# KiCad board SparkFun_GNSS_LG290P_panelized.kicad_pcb (continued)
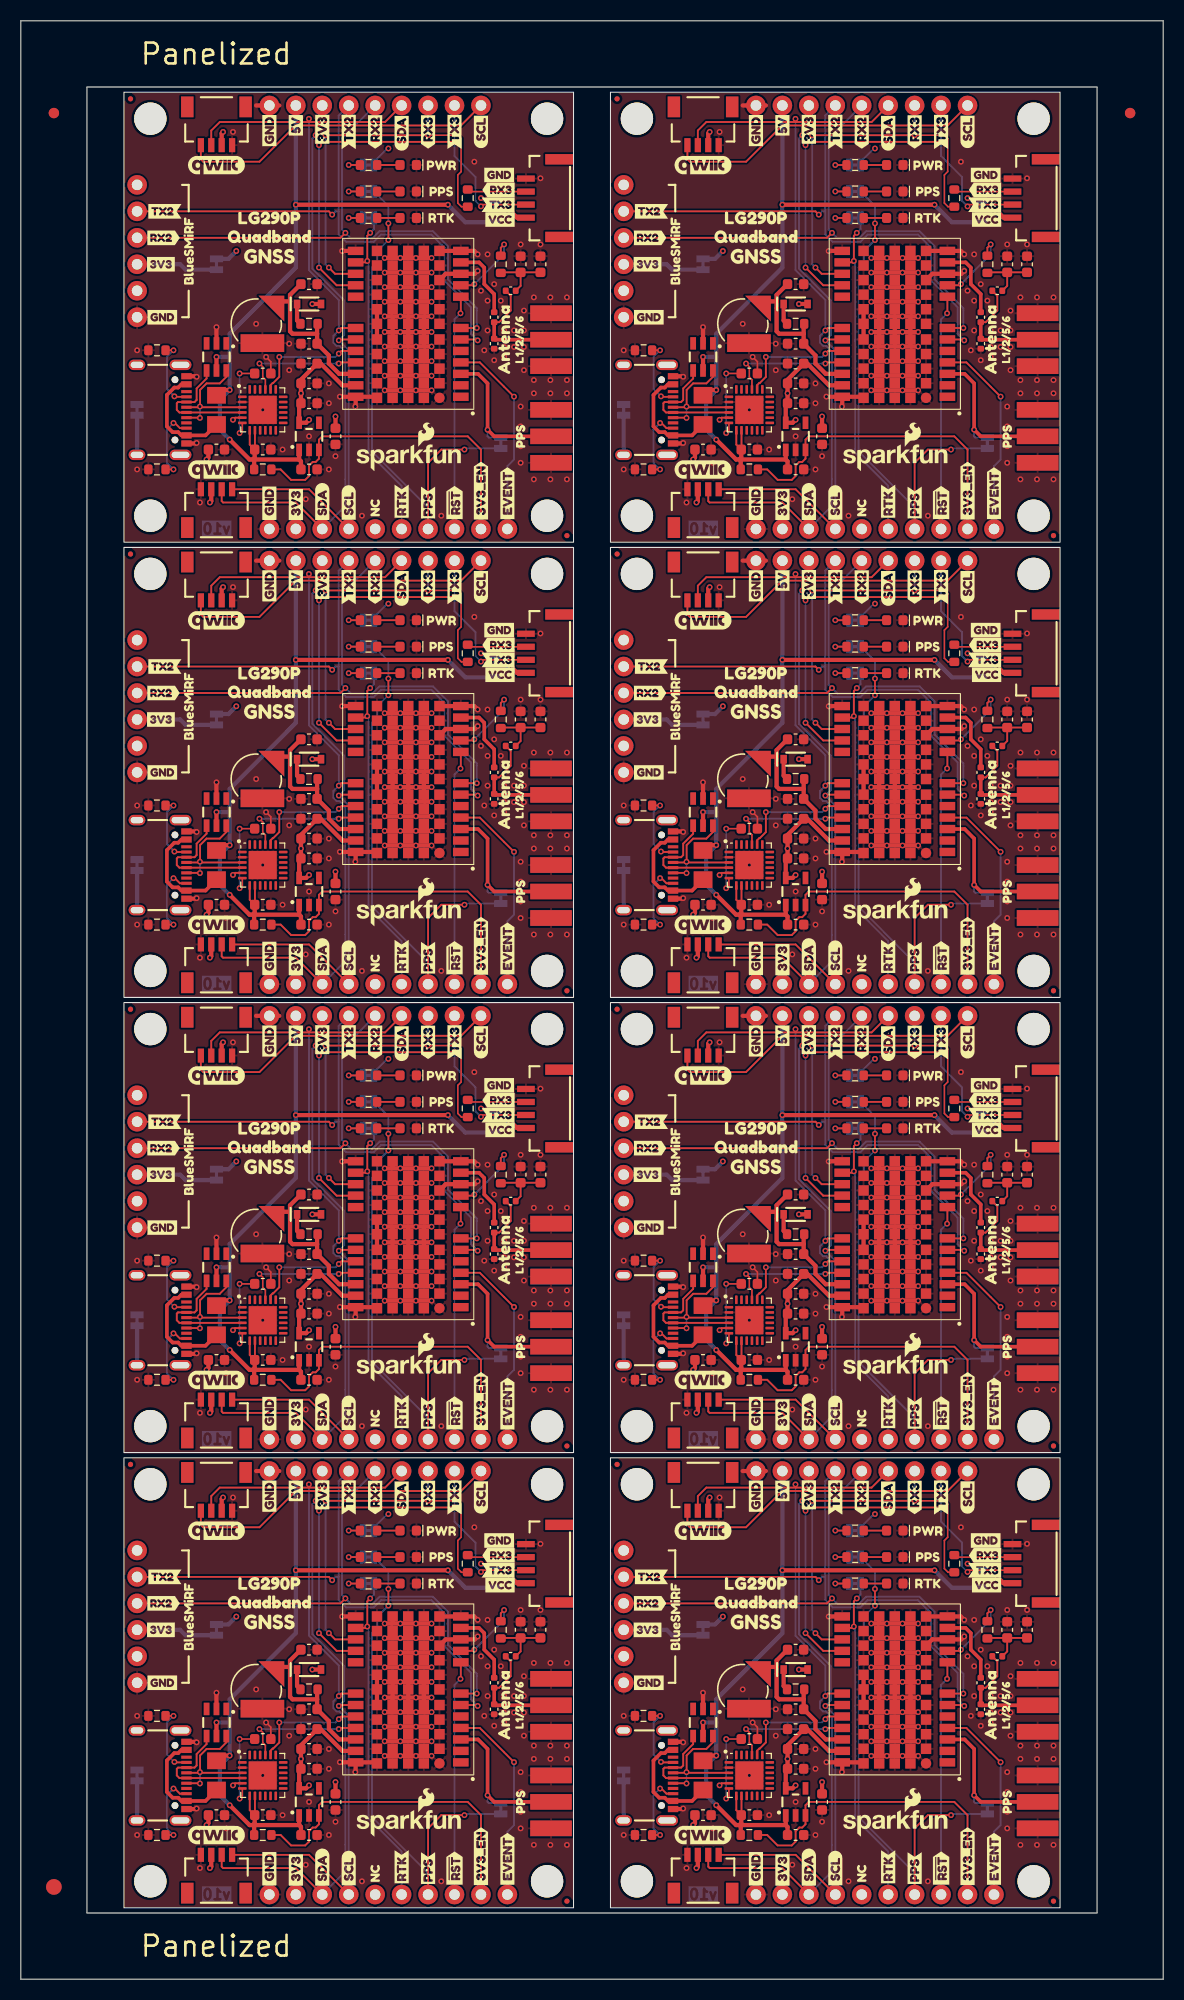
[diagram p0: board, top side]
## Routing (per net, layer and track width the routed paths; a pad name or vN(x,y) marks a point on that pad's centre or on a via; arc(x,y) is an arc through that point) (continued)
VCC_RF: length 60.4
  Top w0.178: R6#8.1 46.09,35.11 v1(46.41,35.42) ; R6.1 92.82,35.11 v1(93.14,35.42) ; v1(43.55,162.66) 43.44,162.55 U3#3.9 ; U3#7.9 90.17,75.19 v1(90.28,75.3) ; R6#2.1 92.82,166.15 v1(93.14,166.47) ; v1(93.14,79.11) 92.82,78.79 R6#6.1 ; R6#7.1 92.82,122.47 v1(93.14,122.78) ; R6#3.1 46.09,78.79 v1(46.41,79.11) ; U3#8.9 43.44,31.51 v1(43.55,31.62) ; U3#6.9 43.44,118.87 v1(43.55,118.98) ; U3#5.9 90.17,31.51 v1(90.28,31.62) ; U3#2.9 90.17,162.55 v1(90.28,162.66) ; R6#4.1 46.09,166.15 v1(46.41,166.47) ; v1(43.55,75.3) 43.44,75.19 U3.9 ; R6#5.1 46.09,122.47 v1(46.41,122.78) ; v1(90.28,118.98) 90.17,118.87 U3#4.9
  Bottom w0.178: v1(46.41,166.47) 46.41,165.51 v1(43.55,162.66) ; v1(43.55,75.3) 46.41,78.15 v1(46.41,79.11) ; v1(93.14,166.47) 93.14,165.51 v1(90.28,162.66) ; v1(90.28,31.62) 93.14,34.47 v1(93.14,35.42) ; v1(46.41,35.42) 46.41,34.47 v1(43.55,31.62) ; v1(93.14,79.11) 93.14,78.15 v1(90.28,75.3) ; v1(93.14,122.78) 93.14,121.83 v1(90.28,118.98) ; v1(43.55,118.98) 46.41,121.83 v1(46.41,122.78)
ANT_IN: length 57.1
  Top w0.349: U3#8.11 44,33.7 44.51,33.2 44.51,31.62 45.46,30.66 C6.2 ; U3#4.11 90.73,121.06 91.23,120.56 91.23,118.98 92.19,118.02 C6#2.2 ; C6#7.2 92.19,74.34 91.23,75.3 91.23,76.88 90.73,77.39 U3#7.11 ; U3#6.11 44,121.06 44.51,120.56 44.51,118.98 45.46,118.02 C6#5.2 ; C6#3.2 45.46,74.34 44.51,75.3 44.51,76.88 44,77.39 U3.11 ; C6#8.2 92.19,30.66 91.23,31.62 91.23,33.2 90.73,33.7 U3#5.11 ; U3#3.11 44,164.75 44.51,164.24 44.51,162.66 45.46,161.7 C6#4.2 ; C6#6.2 92.19,161.7 91.23,162.66 91.23,164.24 90.73,164.75 U3#2.11
EVENT: length 155.5
  Top w0.178: U3.4 44.08,67.78 v1(47.36,64.5) ; v1(94.09,151.86) 90.81,155.15 U3#2.4 ; U3#6.4 44.08,111.47 v1(47.36,108.18) ; v1(94.09,20.82) 90.81,24.11 U3#5.4 ; v1(47.36,20.82) 44.08,24.11 U3#8.4 ; v1(47.36,151.86) 44.08,155.15 U3#3.4 ; U3#4.4 90.81,111.47 v1(94.09,108.18) ; U3#7.4 90.81,67.78 v1(94.09,64.5)
  Bottom w0.178: J10#4.6 93.46,145.19 94.09,145.83 v1(94.09,151.86) ; J10#2.6 93.46,14.15 94.09,14.79 v1(94.09,20.82) ; J10#5.6 46.73,145.19 47.36,145.83 v1(47.36,151.86) ; v1(47.36,108.18) 47.36,102.15 46.73,101.51 J10#7.6 ; J10#3.6 93.46,57.83 94.09,58.47 v1(94.09,64.5) ; v1(94.09,108.18) 94.09,102.15 93.46,101.51 J10.6 ; J10#8.6 46.73,14.15 47.36,14.79 v1(47.36,20.82) ; J10#6.6 46.73,57.83 47.36,58.47 v1(47.36,64.5)
PPS: length 398
  Top w0.178: v1(42.6,59.42) 40.38,59.42 39.11,58.15 J10#6.3 ; v1(42.6,103.1) 40.38,103.1 39.11,101.83 J10#7.3 ; v1(82.03,81.12) v1(82.03,79.52) ; J10#2.3 85.84,14.47 87.11,15.74 v1(89.33,15.74) ; J10#5.3 39.11,145.51 40.38,146.78 v1(42.6,146.78) ; v1(89.33,146.78) 87.11,146.78 85.84,145.51 J10#4.3 ; v1(82.03,37.44) v1(82.03,35.84) ; J10#3.3 85.84,58.15 87.11,59.42 v1(89.33,59.42) ; J10#8.3 39.11,14.47 40.38,15.74 v1(42.6,15.74) ; v1(35.3,124.8) v1(35.3,123.2) ; v1(35.3,168.48) v1(35.3,166.88) ; J10.3 85.84,101.83 87.11,103.1 v1(89.33,103.1) ; v1(82.03,124.8) v1(82.03,123.2) ; v1(82.03,168.48) v1(82.03,166.88) ; v1(35.3,37.44) v1(35.3,35.84) ; v1(35.3,81.12) v1(35.3,79.52)
  Bottom w0.178: v1(82.03,123.2) 80.97,122.15 80.97,121.09 80.45,120.58 80.45,102.92 85.84,97.53 J10.3 ; v1(42.6,103.1) 42.71,103.21 JP6#5.2 ; J10#4.3 85.84,141.21 80.45,146.6 80.45,164.26 80.97,164.78 80.97,165.83 v1(82.03,166.88) ; JP6#7.2 89.44,15.85 v1(89.33,15.74) ; JP3.2 35.3,39.12 v1(35.3,37.44) ; JP3#5.2 35.3,126.48 v1(35.3,124.8) ; JP6#4.2 89.44,146.89 v1(89.33,146.78) ; JP6#3.2 89.44,103.21 v1(89.33,103.1) ; JP3#8.2 82.03,170.16 v1(82.03,168.48) ; v1(42.6,15.74) 42.71,15.85 JP6.2 ; v1(82.03,81.12) 82.03,82.8 JP3#2.2 ; J10#6.3 39.11,53.85 33.72,59.24 33.72,76.9 34.24,77.42 34.24,78.47 v1(35.3,79.52) ; JP3#3.2 35.3,170.16 v1(35.3,168.48) ; v1(35.3,81.12) 35.3,82.8 JP3#4.2 ; v1(35.3,166.88) 34.24,165.83 34.24,164.78 33.72,164.26 33.72,146.6 39.11,141.21 J10#5.3 ; v1(82.03,79.52) 80.97,78.47 80.97,77.42 80.45,76.9 80.45,59.24 85.84,53.85 J10#3.3 ; J10#2.3 85.84,10.17 80.45,15.56 80.45,33.22 80.97,33.73 80.97,34.79 v1(82.03,35.84) ; JP3#7.2 82.03,126.48 v1(82.03,124.8) ; JP3#6.2 82.03,39.12 v1(82.03,37.44) ; v1(42.6,59.42) 42.71,59.53 JP6#8.2 ; J10#7.3 39.11,97.53 33.72,102.92 33.72,120.58 34.24,121.09 34.24,122.15 v1(35.3,123.2) ; JP6#2.2 89.44,59.53 v1(89.33,59.42) ; J10#8.3 39.11,10.17 33.72,15.56 33.72,33.22 34.24,33.73 34.24,34.79 v1(35.3,35.84) ; JP6#6.2 42.71,146.89 v1(42.6,146.78)
RTK_STAT: length 261.2
  Top w0.178: v1(33.55,80.22) 33.27,79.94 v1(33.27,77.52) 33.14,77.39 U3.14 ; v1(80.28,36.54) 80,36.26 v1(80,33.84) 79.87,33.7 U3#5.14 ; U3#4.14 79.87,121.06 v1(80,121.2) 80,123.62 v1(80.28,123.9) ; v1(80.28,80.22) 80,79.94 v1(80,77.52) 79.87,77.39 U3#7.14 ; U3#3.14 33.14,164.75 v1(33.27,164.88) 33.27,167.3 v1(33.55,167.58) ; U3#6.14 33.14,121.06 v1(33.27,121.2) 33.27,123.62 v1(33.55,123.9) ; U3#2.14 79.87,164.75 v1(80,164.88) 80,167.3 v1(80.28,167.58) ; v1(33.55,36.54) 33.27,36.26 v1(33.27,33.84) 33.14,33.7 U3#8.14
  Bottom w0.178: v1(33.55,167.58) 33.91,167.94 JP5#6.2 ; v1(80.28,80.22) 80.64,80.58 JP5#8.2 ; v1(33.27,121.2) 33.39,121.08 33.39,102.78 36.57,99.61 J10#7.2 ; v1(80.28,123.9) 80.64,124.26 JP5#5.2 ; v1(33.55,36.54) 33.91,36.9 JP5.2 ; v1(33.27,164.88) 33.39,164.76 33.39,146.46 36.57,143.29 J10#5.2 ; v1(80,121.2) 80.12,121.08 80.12,102.78 83.3,99.61 J10.2 ; v1(80,77.52) 80.12,77.4 80.12,59.1 83.3,55.93 J10#3.2 ; v1(80,33.84) 80.12,33.72 80.12,15.42 83.3,12.25 J10#2.2 ; J10#8.2 36.57,12.25 33.39,15.42 33.39,33.72 v1(33.27,33.84) ; v1(80.28,36.54) 80.64,36.9 JP5#4.2 ; v1(80.28,167.58) 80.64,167.94 JP5#2.2 ; v1(33.55,123.9) 33.91,124.26 JP5#7.2 ; v1(33.55,80.22) 33.91,80.58 JP5#3.2 ; J10#6.2 36.57,55.93 33.39,59.1 33.39,77.4 v1(33.27,77.52) ; v1(80,164.88) 80.12,164.76 80.12,146.46 83.3,143.29 J10#4.2
RXD1: length 96.9
  Top w0.152: v1(69.64,155.03) 69.96,154.72 69.96,153.73 70.21,153.48 U4#4.21 ; v1(22.92,67.68) 23.23,67.36 23.23,66.37 23.48,66.12 U4#2.21 ; v1(69.64,24) 69.96,23.68 69.96,22.69 70.21,22.44 U4.21 ; U4#7.21 23.48,153.48 23.23,153.73 23.23,154.72 v1(22.92,155.03) ; U4#5.21 70.21,109.8 69.96,110.05 69.96,111.04 v1(69.64,111.36) ; U4#8.21 23.48,22.44 23.23,22.69 23.23,23.68 v1(22.92,24) ; v1(22.92,111.36) 23.23,111.04 23.23,110.05 23.48,109.8 U4#6.21 ; v1(69.64,67.68) 69.96,67.36 69.96,66.37 70.21,66.12 U4#3.21
  Top w0.178: U3#4.21 77.37,111.47 v1(77.26,111.36) ; U3#7.21 77.37,67.78 v1(77.26,67.68) ; U3.21 30.65,67.78 v1(30.54,67.68) ; v1(30.54,111.36) 30.65,111.47 U3#6.21 ; v1(77.26,24) 77.37,24.11 U3#5.21 ; v1(30.54,24) 30.65,24.11 U3#8.21 ; v1(30.54,155.03) 30.65,155.15 U3#3.21 ; v1(77.26,155.03) 77.37,155.15 U3#2.21
  Bottom w0.178: v1(77.26,24) 77.13,24.13 77.08,24.13 76.95,24 v1(69.64,24) ; v1(77.26,67.68) 77.13,67.81 77.08,67.81 76.95,67.68 v1(69.64,67.68) ; v1(22.92,111.36) 30.22,111.36 30.35,111.49 30.4,111.49 v1(30.54,111.36) ; v1(22.92,155.03) 30.22,155.03 30.35,155.17 30.4,155.17 v1(30.54,155.03) ; v1(77.26,111.36) 77.13,111.49 77.08,111.49 76.95,111.36 v1(69.64,111.36) ; v1(69.64,155.03) 76.95,155.03 77.08,155.17 77.13,155.17 v1(77.26,155.03) ; v1(30.54,67.68) 30.4,67.81 30.35,67.81 30.22,67.68 v1(22.92,67.68) ; v1(22.92,24) 30.22,24 30.35,24.13 30.4,24.13 v1(30.54,24)
RXD2: length 443.7
  Top w0.178: 90.6,71.17 v1(90.52,71.09) U3#7.7 ; 43.87,27.49 v1(43.79,27.41) U3#8.7 ; 90.6,158.53 v1(90.52,158.44) U3#2.7 ; U3#4.7 v1(90.52,114.77) 90.6,114.85 ; J2#5.3 77.42,79.74 v1(77.9,80.22) ; v1(31.17,123.9) 30.69,123.42 11.17,123.42 ; U3#6.7 v1(43.79,114.77) 43.87,114.85 ; v1(31.17,36.54) 30.69,36.06 J2#8.3 ; 57.9,123.42 77.42,123.42 v1(77.9,123.9) ; J2#2.3 77.42,36.06 v1(77.9,36.54) ; 43.87,71.17 v1(43.79,71.09) U3.7 ; J2.3 30.69,167.1 v1(31.17,167.58) ; J2#3.3 30.69,79.74 v1(31.17,80.22) ; J2#6.3 77.42,167.1 v1(77.9,167.58) ; 90.6,27.49 v1(90.52,27.41) U3#5.7 ; 43.87,158.53 v1(43.79,158.44) U3#3.7
  Bottom w0.178: J6#5.5 77.58,176.62 77.58,167.89 v1(77.9,167.58) 78.43,167.05 80.49,167.05 81.18,167.74 86.3,167.74 87.75,166.28 87.75,163.11 90.52,160.35 v1(90.52,158.44) ; v1(43.79,158.44) 43.79,160.35 41.03,163.11 41.03,166.28 39.57,167.74 34.45,167.74 33.76,167.05 31.7,167.05 v1(31.17,167.58) 30.85,167.89 30.85,176.62 J6#4.5 ; v1(90.52,71.09) 90.52,72.99 87.75,75.75 87.75,78.92 86.3,80.38 81.18,80.38 80.49,79.69 78.43,79.69 v1(77.9,80.22) 77.58,80.53 77.58,89.27 J6#3.5 ; v1(43.79,71.09) 43.79,72.99 41.03,75.75 41.03,78.92 39.57,80.38 34.45,80.38 33.76,79.69 31.7,79.69 v1(31.17,80.22) 30.85,80.53 30.85,89.27 J6#2.5 ; J6.5 30.85,45.59 30.85,36.85 v1(31.17,36.54) 31.7,36.01 33.76,36.01 34.45,36.7 39.57,36.7 41.03,35.24 41.03,32.07 43.79,29.31 v1(43.79,27.41) ; v1(90.52,114.77) 90.52,116.67 87.75,119.43 87.75,122.6 86.3,124.06 81.18,124.06 80.49,123.37 78.43,123.37 v1(77.9,123.9) 77.58,124.21 77.58,132.94 J6#7.5 ; J6#8.5 30.85,132.94 30.85,124.21 v1(31.17,123.9) 31.7,123.37 33.76,123.37 34.45,124.06 39.57,124.06 41.03,122.6 41.03,119.43 43.79,116.67 v1(43.79,114.77) ; v1(90.52,27.41) 90.52,29.31 87.75,32.07 87.75,35.24 86.3,36.7 81.18,36.7 80.49,36.01 78.43,36.01 v1(77.9,36.54) 77.58,36.85 77.58,45.59 J6#6.5
RXD3: length 314.1
  Top w0.152: v1(85.84,133.26) 88.69,133.26 89.01,132.94 89.01,129.77 88.69,129.45 88.69,126.75 89.04,126.41 R8#7.1 ; v1(39.11,176.94) 41.97,176.94 42.28,176.62 42.28,173.45 41.97,173.13 41.97,170.43 42.31,170.09 R8#4.1 ; v1(85.84,89.58) 88.69,89.58 89.01,89.27 89.01,86.09 88.69,85.77 88.69,83.07 89.04,82.72 R8#5.1 ; R8#6.1 42.31,82.72 41.97,83.07 41.97,85.77 42.28,86.09 42.28,89.27 41.97,89.58 v1(39.11,89.58) ; v1(39.11,133.26) 41.97,133.26 42.28,132.94 42.28,129.77 41.97,129.45 41.97,126.75 42.31,126.41 R8#3.1 ; v1(39.11,45.9) 41.97,45.9 42.28,45.59 42.28,42.41 41.97,42.09 41.97,39.39 42.31,39.05 R8#8.1 ; v1(85.84,45.9) 88.69,45.9 89.01,45.59 89.01,42.41 88.69,42.09 88.69,39.39 89.04,39.05 R8#2.1 ; v1(85.84,176.94) 88.69,176.94 89.01,176.62 89.01,173.45 88.69,173.13 88.69,170.43 89.04,170.09 R8.1
  Top w0.178: v1(76.31,120.56) 76.91,119.97 U3#4.15 ; v1(29.27,176.94) v1(39.11,176.94) ; U3#6.15 30.18,119.97 v1(29.58,120.56) ; U3#2.15 76.91,163.65 v1(76.31,164.24) ; U3#8.15 30.18,32.61 v1(29.58,33.2) ; v1(76.31,33.2) 76.91,32.61 U3#5.15 ; v1(29.58,164.24) 30.18,163.65 U3#3.15 ; v1(29.27,45.9) v1(39.11,45.9) ; v1(29.58,76.88) 30.18,76.28 U3.15 ; v1(76.31,76.88) 76.91,76.28 U3#7.15 ; v1(29.27,133.26) v1(39.11,133.26) ; v1(75.99,133.26) v1(85.84,133.26) ; v1(29.27,89.58) v1(39.11,89.58) ; v1(75.99,176.94) v1(85.84,176.94) ; v1(75.99,89.58) v1(85.84,89.58) ; v1(75.99,45.9) v1(85.84,45.9)
  Bottom w0.152: 39.11,89.39 v1(39.11,89.58) ; 85.84,176.75 v1(85.84,176.94) ; 85.84,133.07 v1(85.84,133.26) ; 85.84,89.39 v1(85.84,89.58) ; 39.11,133.07 v1(39.11,133.26) ; 39.11,176.75 v1(39.11,176.94) ; 85.84,45.71 v1(85.84,45.9) ; 39.11,45.71 v1(39.11,45.9)
  Bottom w0.178: J6#6.3 v1(85.84,45.9) ; J6#7.3 v1(85.84,133.26) ; v1(29.58,164.24) 29.27,164.56 v1(29.27,176.94) ; J6.3 v1(39.11,45.9) ; J6#5.3 v1(85.84,176.94) ; v1(29.58,76.88) 29.27,77.2 v1(29.27,89.58) ; v1(75.99,176.94) 75.99,164.56 v1(76.31,164.24) ; J6#8.3 v1(39.11,133.26) ; v1(29.58,120.56) 29.27,120.88 v1(29.27,133.26) ; J6#4.3 v1(39.11,176.94) ; v1(29.58,33.2) 29.27,33.52 v1(29.27,45.9) ; v1(76.31,33.2) 75.99,33.52 v1(75.99,45.9) ; v1(75.99,89.58) 75.99,77.2 v1(76.31,76.88) ; v1(75.99,133.26) 75.99,120.88 v1(76.31,120.56) ; J6#3.3 v1(85.84,89.58) ; J6#2.3 v1(39.11,89.58)
SCL: length 686
  Top w0.178: J7#2.4 64.02,87.27 64.25,87.04 69.64,87.04 73.12,90.52 75.04,90.52 ; 28.31,177.88 v1(28.31,176.94) ; 28.31,177.88 42.27,177.88 J6#4.1 ; 28.31,177.88 26.4,177.88 22.92,174.4 17.52,174.4 17.29,174.63 J7#4.4 ; 75.04,134.2 73.12,134.2 69.64,130.72 64.25,130.72 64.02,130.95 J7#7.4 ; 75.04,134.2 v1(75.04,133.26) ; 75.04,134.2 89,134.2 J6#7.1 ; U3#8.19 30.62,26.31 v1(30.54,26.22) ; 28.31,46.84 26.4,46.84 22.92,43.36 17.52,43.36 17.29,43.59 J7#8.4 ; 28.31,46.84 v1(28.31,45.9) ; 28.31,46.84 42.27,46.84 J6.1 ; v1(30.54,69.9) 30.62,69.98 U3.19 ; J9#3.4 27.68,55.61 J4#3.4 ; J7#3.4 17.29,87.27 17.52,87.04 22.92,87.04 26.4,90.52 28.31,90.52 ; 75.04,90.52 v1(75.04,89.58) ; 75.04,90.52 89,90.52 J6#3.1 ; v1(77.26,26.22) 77.35,26.31 U3#5.19 ; J9#7.4 74.41,99.29 J4#8.4 ; 28.31,90.52 v1(28.31,89.58) ; 28.31,90.52 42.27,90.52 J6#2.1 ; 28.31,134.2 42.27,134.2 J6#8.1 ; 28.31,134.2 26.4,134.2 22.92,130.72 17.52,130.72 17.29,130.95 J7#6.4 ; 28.31,134.2 v1(28.31,133.26) ; J9#2.4 74.41,11.93 J4#6.4 ; J4.4 27.68,11.93 J9.4 ; J7#5.4 64.02,43.59 64.25,43.36 69.64,43.36 73.12,46.84 75.04,46.84 ; v1(77.26,113.58) 77.35,113.67 U3#4.19 ; U3#7.19 77.35,69.98 v1(77.26,69.9) ; 75.04,177.88 v1(75.04,176.94) ; 75.04,177.88 89,177.88 J6#5.1 ; 75.04,177.88 73.12,177.88 69.64,174.4 64.25,174.4 64.02,174.63 J7.4 ; v1(30.54,157.26) 30.62,157.34 U3#3.19 ; U3#2.19 77.35,157.34 v1(77.26,157.26) ; U3#6.19 30.62,113.67 v1(30.54,113.58) ; 75.04,46.84 v1(75.04,45.9) ; 75.04,46.84 89,46.84 J6#6.1 ; J9#8.4 74.41,142.97 J4#5.4 ; J9#5.4 27.68,142.97 J4#2.4 ; J4#4.4 27.68,99.29 J9#4.4 ; J4#7.4 74.41,55.61 J9#6.4
  Bottom w0.178: v1(28.31,45.9) 28,45.59 28,33.1 31.06,30.04 31.06,26.74 v1(30.54,26.22) 31.49,25.27 J9.4 ; v1(75.04,176.94) 74.72,176.62 74.72,164.14 77.78,161.08 77.78,157.78 v1(77.26,157.26) 78.22,156.31 J9#8.4 ; v1(75.04,89.58) 74.72,89.27 74.72,76.78 77.78,73.72 77.78,70.42 v1(77.26,69.9) 78.22,68.94 J9#6.4 ; v1(75.04,133.26) 74.72,132.94 74.72,120.46 77.78,117.4 77.78,114.1 v1(77.26,113.58) 78.22,112.62 J9#7.4 ; J9#3.4 31.49,68.94 v1(30.54,69.9) 31.06,70.42 31.06,73.72 28,76.78 28,89.27 v1(28.31,89.58) ; J9#5.4 31.49,156.31 v1(30.54,157.26) 31.06,157.78 31.06,161.08 28,164.14 28,176.62 v1(28.31,176.94) ; J9#4.4 31.49,112.62 v1(30.54,113.58) 31.06,114.1 31.06,117.4 28,120.46 28,132.94 v1(28.31,133.26) ; v1(75.04,45.9) 74.72,45.59 74.72,33.1 77.78,30.04 77.78,26.74 v1(77.26,26.22) 78.22,25.27 J9#2.4
SDA: length 615.5
  Top w0.178: v1(27.67,91.16) 27.68,91.14 27.68,90.85 ; 27.68,178.21 34.98,178.21 J6#4.4 ; 27.68,178.21 27.68,178.5 v1(27.67,178.52) ; 27.68,178.21 19.11,178.21 18.29,177.4 J7#4.3 ; J4#6.3 66.02,10.8 66.15,10.66 73.14,10.66 75.68,8.12 ; 74.41,178.21 65.83,178.21 65.02,177.4 J7.3 ; 74.41,178.21 74.41,178.5 v1(74.39,178.52) ; 74.41,178.21 81.71,178.21 J6#5.4 ; J4#3.3 19.29,54.48 19.42,54.34 26.41,54.34 J9#3.3 ; 74.41,90.85 81.71,90.85 J6#3.4 ; 74.41,90.85 74.41,91.14 v1(74.39,91.16) ; 74.41,90.85 65.83,90.85 65.02,90.03 J7#2.3 ; 75.68,139.16 73.14,141.7 66.15,141.7 66.02,141.84 J4#5.3 ; v1(77.26,27.17) 77.5,27.41 U3#5.18 ; v1(30.54,27.17) 30.77,27.41 U3#8.18 ; 27.68,134.53 19.11,134.53 18.29,133.72 J7#6.3 ; 27.68,134.53 27.68,134.82 v1(27.67,134.84) ; 27.68,134.53 34.98,134.53 J6#8.4 ; 27.68,47.17 34.98,47.17 J6.4 ; 27.68,47.17 19.11,47.17 18.29,46.36 J7#8.3 ; 27.68,47.17 27.68,47.46 v1(27.67,47.48) ; v1(77.26,158.21) 77.5,158.44 U3#2.18 ; 27.68,90.85 19.11,90.85 18.29,90.03 J7#3.3 ; 27.68,90.85 34.98,90.85 J6#2.4 ; J6#6.4 81.71,47.17 74.41,47.17 ; J6#7.4 81.71,134.53 74.41,134.53 ; U3#6.18 30.77,114.77 v1(30.54,114.53) ; v1(77.26,70.85) 77.5,71.09 U3#7.18 ; J9.3 26.41,10.66 19.42,10.66 19.29,10.8 J4.3 ; 74.41,134.53 74.41,134.82 v1(74.39,134.84) ; 74.41,134.53 65.83,134.53 65.02,133.72 J7#7.3 ; J9#4.3 26.41,98.02 19.42,98.02 19.29,98.16 J4#4.3 ; J9#5.3 26.41,141.7 19.42,141.7 19.29,141.84 J4#2.3 ; U3#4.18 77.5,114.77 v1(77.26,114.53) ; U3#3.18 30.77,158.44 v1(30.54,158.21) ; J4#8.3 66.02,98.16 66.15,98.02 73.14,98.02 75.68,95.48 ; U3.18 30.77,71.09 v1(30.54,70.85) ; 74.41,47.17 65.83,47.17 65.02,46.36 J7#5.3 ; 74.41,47.17 74.41,47.46 v1(74.39,47.48) ; J4#7.3 66.02,54.48 66.15,54.34 73.14,54.34 75.68,51.8
  Bottom w0.178: 27.68,178.53 v1(27.67,178.52) 27.67,164 30.54,161.13 v1(30.54,158.21) 30.01,157.69 30.01,157.04 30.32,156.74 30.59,156.74 31.16,156.17 31.16,141.37 J9#5.3 ; 27.68,47.49 v1(27.67,47.48) 27.67,32.96 30.54,30.09 v1(30.54,27.17) 30.01,26.65 30.01,26 30.32,25.7 30.59,25.7 31.16,25.13 31.16,10.33 J9.3 ; 74.41,47.49 v1(74.39,47.48) 74.39,32.96 77.26,30.09 v1(77.26,27.17) 76.74,26.65 76.74,26 77.05,25.7 77.32,25.7 77.89,25.13 77.89,10.33 75.68,8.12 ; J9#4.3 31.16,97.69 31.16,112.49 30.59,113.06 30.32,113.06 30.01,113.36 30.01,114.01 v1(30.54,114.53) 30.54,117.45 27.67,120.32 v1(27.67,134.84) 27.68,134.85 ; J9#3.3 31.16,54.01 31.16,68.81 30.59,69.38 30.32,69.38 30.01,69.68 30.01,70.33 v1(30.54,70.85) 30.54,73.77 27.67,76.64 v1(27.67,91.16) 27.68,91.17 ; 74.41,178.53 v1(74.39,178.52) 74.39,164 77.26,161.13 v1(77.26,158.21) 76.74,157.69 76.74,157.04 77.05,156.74 77.32,156.74 77.89,156.17 77.89,141.37 75.68,139.16 ; 74.41,91.17 v1(74.39,91.16) 74.39,76.64 77.26,73.77 v1(77.26,70.85) 76.74,70.33 76.74,69.68 77.05,69.38 77.32,69.38 77.89,68.81 77.89,54.01 75.68,51.8 ; 75.68,95.48 77.89,97.69 77.89,112.49 77.32,113.06 77.05,113.06 76.74,113.36 76.74,114.01 v1(77.26,114.53) 77.26,117.45 74.39,120.32 v1(74.39,134.84) 74.41,134.85
TXD1: length 88.5
  Top w0.178: v1(24.82,155.67) 24.82,153.75 24.23,153.17 24.19,153.17 23.98,152.96 U4#7.20 ; U4#4.20 70.71,152.96 70.91,153.17 70.96,153.17 71.55,153.75 v1(71.55,155.67) ; v1(77.26,155.99) 77.52,156.25 U3#2.20 ; U3#7.20 77.52,68.89 v1(77.26,68.63) ; v1(71.55,24.63) 71.55,22.71 70.96,22.13 70.91,22.13 70.71,21.92 U4.20 ; U3#3.20 30.79,156.25 v1(30.54,155.99) ; U3#8.20 30.79,25.2 v1(30.54,24.95) ; v1(77.26,112.31) 77.52,112.56 U3#4.20 ; U3#6.20 30.79,112.56 v1(30.54,112.31) ; v1(71.55,68.31) 71.55,66.39 70.96,65.81 70.91,65.81 70.71,65.6 U4#3.20 ; v1(71.55,111.99) 71.55,110.07 70.96,109.49 70.91,109.49 70.71,109.28 U4#5.20 ; v1(30.54,68.63) 30.79,68.89 U3.20 ; U3#5.20 77.52,25.2 v1(77.26,24.95) ; U4#6.20 23.98,109.28 24.19,109.49 24.23,109.49 24.82,110.07 v1(24.82,111.99) ; U4#2.20 23.98,65.6 24.19,65.81 24.23,65.81 24.82,66.39 v1(24.82,68.31) ; U4#8.20 23.98,21.92 24.19,22.13 24.23,22.13 24.82,22.71 v1(24.82,24.63)
  Bottom w0.178: v1(71.55,155.67) 76.95,155.67 v1(77.26,155.99) ; v1(77.26,68.63) 76.95,68.31 v1(71.55,68.31) ; v1(24.82,68.31) 30.22,68.31 v1(30.54,68.63) ; v1(77.26,24.95) 76.95,24.63 v1(71.55,24.63) ; v1(30.54,24.95) 30.22,24.63 v1(24.82,24.63) ; v1(24.82,111.99) 30.22,111.99 v1(30.54,112.31) ; v1(30.54,155.99) 30.22,155.67 v1(24.82,155.67) ; v1(71.55,111.99) 76.95,111.99 v1(77.26,112.31)
TXD2: length 444.1
  Top w0.178: v1(43.87,26.22) 43.78,26.31 U3#8.6 ; v1(90.6,26.22) 90.51,26.31 U3#5.6 ; v1(76.63,38.28) 76.31,38.6 57.9,38.6 ; v1(90.6,157.26) 90.51,157.34 U3#2.6 ; v1(76.63,81.96) 76.31,82.28 J2#5.2 ; U3#3.6 43.78,157.34 v1(43.87,157.26) ; 11.17,38.6 29.58,38.6 v1(29.9,38.28) ; v1(29.9,169.32) 29.58,169.64 J2.2 ; v1(29.9,125.64) 29.58,125.96 11.17,125.96 ; v1(76.63,169.32) 76.31,169.64 J2#6.2 ; v1(90.6,113.58) 90.51,113.67 U3#4.6 ; U3#6.6 43.78,113.67 v1(43.87,113.58) ; v1(76.63,125.64) 76.31,125.96 57.9,125.96 ; J2#3.2 29.58,82.28 v1(29.9,81.96) ; v1(43.87,69.9) 43.78,69.98 U3.6 ; v1(90.6,69.9) 90.51,69.98 U3#7.6
  Bottom w0.178: J6#2.6 30.52,91.47 30.52,82.28 ; 77.25,169.64 76.95,169.64 v1(76.63,169.32) ; 77.25,169.64 77.25,178.83 J6#5.6 ; 77.25,169.64 77.25,167.43 77.96,166.72 80.63,166.72 81.31,167.4 86.17,167.4 87.42,166.15 87.42,162.97 89.96,160.43 89.96,157.89 v1(90.6,157.26) ; v1(76.63,125.64) 76.95,125.96 77.25,125.96 ; 77.25,125.96 77.25,123.75 77.96,123.04 80.63,123.04 81.31,123.72 86.17,123.72 87.42,122.47 87.42,119.29 89.96,116.75 89.96,114.21 v1(90.6,113.58) ; 77.25,125.96 77.25,135.15 J6#7.6 ; 30.52,38.6 30.22,38.6 v1(29.9,38.28) ; 30.52,38.6 30.52,36.39 31.23,35.68 33.9,35.68 34.58,36.36 39.44,36.36 40.7,35.11 40.7,31.93 43.24,29.39 43.24,26.85 v1(43.87,26.22) ; 30.52,38.6 30.52,47.79 J6.6 ; 77.25,38.6 77.25,47.79 J6#6.6 ; 77.25,38.6 76.95,38.6 v1(76.63,38.28) ; 77.25,38.6 77.25,36.39 77.96,35.68 80.63,35.68 81.31,36.36 86.17,36.36 87.42,35.11 87.42,31.93 89.96,29.39 89.96,26.85 v1(90.6,26.22) ; v1(43.87,69.9) 43.24,70.53 43.24,73.07 40.7,75.61 40.7,78.79 39.44,80.04 34.58,80.04 33.9,79.36 31.23,79.36 30.52,80.07 30.52,82.28 ; J6#3.6 77.25,91.47 77.25,82.28 ; 30.52,169.64 30.22,169.64 v1(29.9,169.32) ; 30.52,169.64 30.52,167.43 31.23,166.72 33.9,166.72 34.58,167.4 39.44,167.4 40.7,166.15 40.7,162.97 43.24,160.43 43.24,157.89 v1(43.87,157.26) ; 30.52,169.64 30.52,178.83 J6#4.6 ; v1(76.63,81.96) 76.95,82.28 77.25,82.28 ; 30.52,125.96 30.52,135.15 J6#8.6 ; 30.52,125.96 30.22,125.96 v1(29.9,125.64) ; 30.52,125.96 30.52,123.75 31.23,123.04 33.9,123.04 34.58,123.72 39.44,123.72 40.7,122.47 40.7,119.29 43.24,116.75 43.24,114.21 v1(43.87,113.58) ; 30.52,82.28 30.22,82.28 v1(29.9,81.96) ; 77.25,82.28 77.25,80.07 77.96,79.36 80.63,79.36 81.31,80.04 86.17,80.04 87.42,78.79 87.42,75.61 89.96,73.07 89.96,70.53 v1(90.6,69.9)
TXD3: length 354
  Top w0.152: J8#7.2 91.08,126.61 v1(90.92,126.44) ; J8.2 44.36,39.25 v1(44.19,39.08) ; J8#8.2 91.08,170.28 v1(90.92,170.12) ; J8#5.2 91.08,39.25 v1(90.92,39.08) ; v1(44.19,82.76) 44.36,82.93 J8#3.2 ; v1(44.19,170.12) 44.36,170.28 J8#2.2 ; J8#6.2 91.08,82.93 v1(90.92,82.76) ; J8#4.2 44.36,126.61 v1(44.19,126.44)
  Top w0.178: v1(88.38,88.95) 75.68,88.95 v1(75.36,88.63) ; v1(28.63,164.24) 30.33,162.55 U3#3.16 ; v1(41.65,176.31) 28.95,176.31 v1(28.63,175.99) ; U3#4.16 77.06,118.87 v1(75.36,120.56) ; v1(41.65,88.95) 28.95,88.95 v1(28.63,88.63) ; v1(28.63,33.2) 30.33,31.51 U3#8.16 ; U3#2.16 77.06,162.55 v1(75.36,164.24) ; v1(88.38,176.31) 75.68,176.31 v1(75.36,175.99) ; v1(75.36,44.95) 75.68,45.27 v1(88.38,45.27) ; v1(75.36,33.2) 77.06,31.51 U3#5.16 ; v1(28.63,132.31) 28.95,132.63 v1(41.65,132.63) ; v1(75.36,76.88) 77.06,75.19 U3#7.16 ; U3.16 30.33,75.19 v1(28.63,76.88) ; v1(75.36,132.31) 75.68,132.63 v1(88.38,132.63) ; v1(28.63,44.95) 28.95,45.27 v1(41.65,45.27) ; U3#6.16 30.33,118.87 v1(28.63,120.56)
  Bottom w0.178: v1(75.36,33.2) v1(75.36,44.95) ; v1(44.19,170.12) 43.67,170.64 43.67,172.93 41.65,174.95 J6#4.2 ; J6#7.2 88.38,131.27 90.39,129.25 90.39,126.96 v1(90.92,126.44) ; J6#6.2 88.38,43.91 90.39,41.89 90.39,39.6 v1(90.92,39.08) ; J6#2.2 41.65,87.59 43.67,85.57 43.67,83.28 v1(44.19,82.76) ; v1(75.36,164.24) v1(75.36,175.99) ; v1(44.19,126.44) 43.67,126.96 43.67,129.25 41.65,131.27 J6#8.2 ; J6#3.2 88.38,87.59 90.39,85.57 90.39,83.28 v1(90.92,82.76) ; J6#5.2 88.38,174.95 90.39,172.93 90.39,170.64 v1(90.92,170.12) ; v1(28.63,164.24) v1(28.63,175.99) ; v1(28.63,120.56) v1(28.63,132.31) ; J6.2 41.65,43.91 43.67,41.89 43.67,39.6 v1(44.19,39.08) ; v1(28.63,76.88) v1(28.63,88.63) ; v1(75.36,120.56) v1(75.36,132.31) ; v1(75.36,76.88) v1(75.36,88.63) ; v1(28.63,33.2) v1(28.63,44.95)
V_BCKP: length 127.7
  Top w0.406: 72.58,117.32 72.58,114.45 72.82,114.21 75.18,114.21 ; 72.58,117.32 72.58,117.94 73.49,118.85 ; 72.58,117.32 71.94,117.32 71.94,117.32 BT1#3.+ ; U3#5.22 77.3,23.01 76.31,24 76.31,24.77 C9#7.1 75.18,26.85 ; 25.85,73.64 25.21,73.64 25.21,73.64 24.65,73.64 ; 25.85,73.64 25.85,74.26 26.76,75.17 ; 25.85,73.64 25.85,70.77 26.09,70.53 28.45,70.53 ; 28.45,70.53 28.45,71.44 R7#5.2 ; 28.45,70.53 C9#4.1 29.58,68.45 29.58,67.68 30.57,66.69 U3.22 ; U3#4.22 77.3,110.37 76.31,111.36 76.31,112.13 C9.1 75.18,114.21 ; R7#7.2 75.18,158.8 75.18,157.89 ; 75.18,26.85 72.82,26.85 72.58,27.09 72.58,29.96 ; 75.18,26.85 75.18,27.76 R7#4.2 ; 75.18,114.21 75.18,115.12 R7#6.2 ; 28.45,26.85 28.45,27.76 R7.2 ; 28.45,26.85 26.09,26.85 25.85,27.09 25.85,29.96 ; 28.45,26.85 C9#8.1 29.58,24.77 29.58,24 30.57,23.01 U3#8.22 ; 26.76,31.49 25.85,30.58 25.85,29.96 ; 72.58,161 72.58,161.62 73.49,162.53 ; 72.58,161 72.58,158.13 72.82,157.89 75.18,157.89 ; 72.58,161 71.94,161 71.94,161 BT1#4.+ ; 25.85,29.96 25.21,29.96 25.21,29.96 24.65,29.96 ; 72.58,29.96 72.58,30.58 73.49,31.49 ; 72.58,29.96 71.94,29.96 71.94,29.96 BT1#7.+ ; 28.45,157.89 C9#2.1 29.58,155.81 29.58,155.03 30.57,154.05 U3#3.22 ; 28.45,157.89 28.45,158.8 R7#2.2 ; 28.45,157.89 26.09,157.89 25.85,158.13 25.85,161 ; 25.85,117.32 25.21,117.32 25.21,117.32 24.65,117.32 ; 25.85,117.32 25.85,114.45 26.09,114.21 28.45,114.21 ; 25.85,117.32 25.85,117.94 26.76,118.85 ; 75.18,157.89 C9#3.1 76.31,155.81 76.31,155.03 77.3,154.05 U3#2.22 ; BT1#2.+ 71.94,73.64 71.94,73.64 72.58,73.64 ; 25.85,161 25.85,161.62 26.76,162.53 ; 25.85,161 25.21,161 25.21,161 24.65,161 ; 72.58,73.64 72.58,70.77 72.82,70.53 75.18,70.53 ; 72.58,73.64 72.58,74.26 73.49,75.17 ; R7#8.2 75.18,71.44 75.18,70.53 ; 28.45,114.21 28.45,115.12 R7#3.2 ; 28.45,114.21 C9#6.1 29.58,112.13 29.58,111.36 30.57,110.37 U3#6.22 ; U3#7.22 77.3,66.69 76.31,67.68 76.31,68.45 C9#5.1 75.18,70.53
